# Altium PCB XXXX.687253.007.PcbDoc (part 2 of 2)
Units mm, origin at the board's own origin, x right, y up, seen from the top; angles counter-clockwise.
Board outline 88.8 x 99.3 mm, 2 copper layers (Top Layer, Bottom Layer), stack 1.571 mm thick; 138 components, 105 nets, 600 pads, 147 vias.
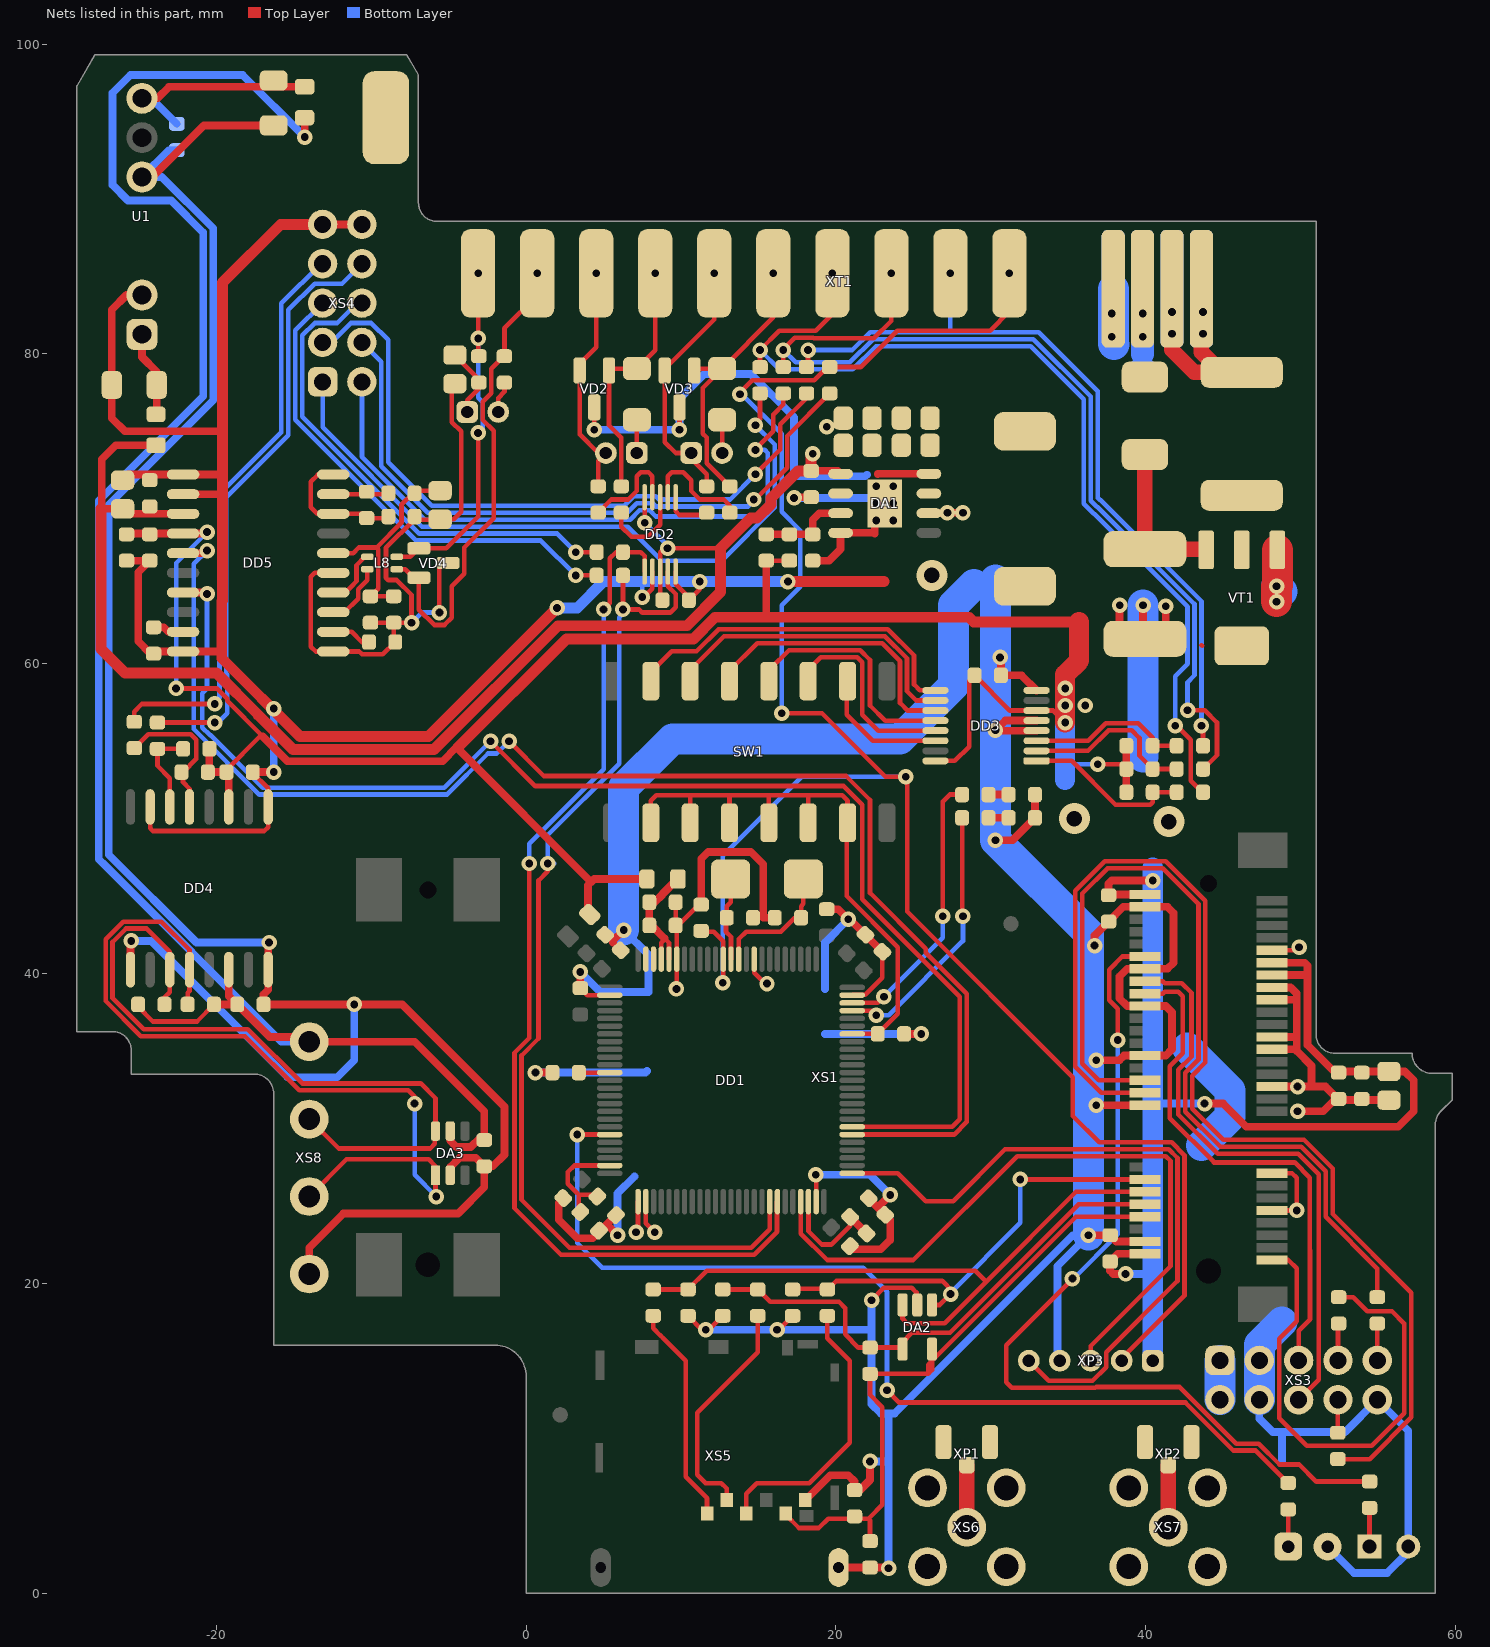
[diagram p2: the nets of this part, all layers, seen from the top]

## Via types
v1: diameter 1, hole 0.5, Top Layer to Bottom Layer, tented both sides, 104 vias
v2: diameter 1, hole 0.5, Top Layer to Bottom Layer, 34 vias
v3: diameter 0.8, hole 0.5, Top Layer to Bottom Layer, tented both sides, 6 vias
v4: diameter 2, hole 1, Top Layer to Bottom Layer, 3 vias

## Nets (pads, with @x,y where several pads share a name; then routed paths per layer and width w, separated by ;. In a path a pad name is that pad's centre, name@x,y a point inside that pad or via, vN(x,y) a via of type N, cw(c..) or ccw(c..) an arc to the next point about the centre after c; other vN are vias at no path point) (continued)
"+3,3 В_GSM": C1.1 C2.1 C3.1 C4.1 C5.1 C14.1 C15.1 C16.1 C35.2 C36.2 C39.2 C40.1 DD3.6 DD3.16 DD4.3 DD5.4 L2.2 L3.2 L4.2 R17.2 R32.2 R33.2 R34.2 R37.1 R38.1 XP3.1 XS1.2 XS1.39 XS1.41 XS1.52 | length 225.7
  Top Layer w0.3: v1(-22.6,58.4) -19.969,58.4 -19.3,57.731 -19.3,57.6 -17,55.3 -17.2,55.3 -19.4,53.1 C40.1@-19.4,53 ; C14.1@15.5,66.65 R17.2@17,66.65 ; DD3.16@26.425,53.725 27.675,53.725 28.6,54.65 28.6,58.9 C35.2@28.95,59.25 31.225,56.975 DD3.6@32.95,56.975 34.025,56.975 v1(34.8,56.2) ; v1(36.9,53.5) 38.45,53.5 R33.2@38.75,53.2
  Top Layer w0.5: C36.2@-25.8,68.35 -25.745,68.405 DD5.4@-22.15,68.405 -20.645,68.405 -20.6,68.45 v1(-20.6,68.5) ; R37.1@-20.55,53 R37.1@-20.45,53 ; R38.1@-20.45,54.5 R37.1@-20.45,53 ; R37.1@-20.389,53.044 R37.1@-20.45,53 ; C40.1@-19.362,52.962 C40.1@-19.362,53 ; C40.1@-19.35,53 -19.4,53 R37.1@-20.45,53 ; DD4.3@-19.2,50.7 C40.1@-19.2,52.9 ; -17,55.3 -15.405,53.705 -5.395,53.705 -4.5,54.6 ; -4.4,54.6 -4.4,54.5 4.2,45.9 4.4,46.1 L3.2@7.8,46.1 ; 4,45.7 4,44.007 L4.2@4.2,43.807 ; 15.5,63 C14.1@15.5,66.65 ; v1(38.7,20.6) 37.9,20.6 37.7,20.8 C1.1@37.7,21.4 38.2,21.9 XS1.2@39.95,21.9 ; R34.2@38.75,51.7 R33.2@38.75,53.2 R32.2@38.75,54.7 ; XS1.52@39.95,45.1 37.65,45.1 C2.1@37.6,45.05 37.6,45.8 37.8,46 v1(40.45,46) ; v1(43.8,31.6) 45,31.6 46.5,30.1 56.3,30.1 57.3,31.1 57.3,33.1 56.725,33.675 C5.1@55.7,33.675 52.525,33.675 C3.1@52.45,33.6 52.225,33.6 50.45,35.375 50.45,40.008 ; XS1.39@48.15,39.9 50.342,39.9 50.45,40.008 ; XS1.41@48.15,40.7 50.25,40.7 50.45,40.5 50.45,40.008
  Top Layer w0.7: -4.4,54.6 2.6,61.6 10.8,61.6 12.2,63 15.5,63 28.6,63 28.9,62.7 35.7,62.7
  Top Layer w1.3: v1(34.8,56.2) 34.8,59.3 35.7,60.2 35.7,62.7
  Bottom Layer w0.3: v1(-22.6,58.4) -22.6,66.5 v1(-20.6,68.5) ; 34.8,53.4 34.9,53.5 v1(36.9,53.5)
  Bottom Layer w0.5: v1(38.7,20.6) 40.45,20.6 ; 40.45,31.9 40.75,31.6 v1(43.8,31.6) ; 40.45,32.9 40.55,32.8
  Bottom Layer w1.3: 34.8,52.5 34.8,53.4 v1(34.8,56.2) ; XP3.1@40.45,15 40.45,20.6 40.45,31.9 40.45,32.9 v1(40.45,46) 40.45,46.85
  other v2: 34.8,57.3 36.1,57.3 34.8,58.4
  other v4: 35.4,50
"+5 В": C6.1 C7.1 C8.1 C34.2 C37.1 C38.1 DA1.1 DA1.2 DA1.6 DD2.3 DD2.10 DD5.3 L1.2 L5.1 XS3.1 XS3.2 | length 125.8
  Top Layer w0.3: v1(7.65,69.1) 7.65,68.85 DD2.10@7.65,70.75 ; C34.2@9.05,64.35 8.65,64.35 DD2.3@8.65,65.95 8.65,67.2 8.9,67.45 v1(9.131,67.45) 12.55,67.45
  Top Layer w0.5: -27.45,70 -27.4,70 ; L5.1@-23.9,74.1 -26.5,74.1 -27.4,73.2 -27.4,70 ; DD5.3@-22.15,69.675 -25.725,69.675 C37.1@-26.05,70 -27.4,70 ; C6.1@18.4,72.45 20.105,72.45 DA1.1@20.3,72.255 ; DA1.6@26,69.715 27.165,69.715 v1(27.2,69.75) v1(28.2,69.75) ; v1(38.325,63.775) 38.3,63.75 38.3,62.1 38.795,61.605 L1.2@39.95,61.605 ; v1(39.825,63.775) 39.825,61.73 L1.2@39.95,61.605 ; v2(41.3,63.7) 41.3,62.5 41.4,62.4 40.605,61.605 L1.2@39.95,61.605
  Top Layer w0.7: -27.45,70 -27.45,60.95 -25.9,59.4 -23.015,59.4 -20,59.4 -17.3,56.7 -17.3,56.686 -16.714,56.1 -16.7,56.1 -15.055,54.455 -5.947,54.455 2.048,62.45 10.375,62.45 12.55,64.625 12.55,67.45 14.5,69.4 14.914,69.4 15.8,70.286 15.8,70.681 17.55,72.431 17.55,72.45 C6.1@18.4,72.45 v1@18.4,73.5
  Bottom Layer w0.3: v1(7.65,69.1) 9.131,67.619 v1(9.131,67.45)
  Bottom Layer w2: 39.825,53.975 v1(39.825,63.775) ; 42.7,35.2 45.45,32.45 45.45,30.75 43.6,28.9 ; XS3.2@44.793,12.48 XS3.1@44.793,15.02
  other v1: 18.5,73.55 19.4,75.3
  other v4: 41.5,49.8
"+5 В_I2C": C42.1 C50.1 DA3.5 DD4.14 L9.2 R40.1 R41.1 XS8.4 | length 124.5
  Top Layer w0.3: R40.1@-25.05,38 -25.05,37.85 -24.1,36.9 -21.25,36.9 R41.1@-20.15,38
  Top Layer w0.5: R41.1@-20.15,38 C42.1@-18.65,38 ; DD4.14@-19.195,40.25 -19.195,38.545 C42.1@-18.65,38 ; v1(-14.3,94) L9.2@-14.3,95.25 ; DA3.5@-4.9,29.825 -4.9,29.2 -4.5,28.8 -3.572,28.8 -3,29.372 -3,29.25 C50.1@-2.7,29.25 -2.7,31.1 -7.199,35.599 XS8.4@-14,35.599 -14.301,35.9 -16.55,35.9 C42.1@-18.65,38
  Bottom Layer w0.5: v1(-14.3,94) -18.3,98 -25.55,98 -26.7,96.85 -26.7,90.9 -25.7,89.9 -22.919,89.9 -20.849,87.83 -20.849,77.27 -27.6,70.519 -27.6,47.381 -27.3,47.081 -27.3,47.1 -15.799,35.599 XS8.4@-14,35.599
"+5 В_Вн": RT1.1 XT1.12 XT1.14 | length 15
  Top Layer w1: XT1.12@41.695,84.2 v1(41.695,82.7) v1(41.695,81.3) 41.695,80.255 43.14,78.81 RT1.1@44.89,78.81 ; XT1.12@43.595,84.2 43.595,80.105 RT1.1@44.89,78.81 ; RT1.1@46.2,78.81 RT1.1@44.89,78.81
  other v1: 43.7,81.3 43.7,82.7
A: R25.1 VD2.2 XP5.2 XT1.3 | length 14.9
  Top Layer w0.3: XT1.3@4.525,85.2 4.525,80.425 3.45,79.35 VD2.2@3.45,78.925 3.45,74.8 4.65,73.6 XP5.2@5.15,73.6 4.65,73.1 4.65,71.95
B: R26.1 R36.2 VD2.1 XT1.4 | length 15.8
  Top Layer w0.3: 6.15,71.95 6.15,74.6 5.35,75.4 VD2.1@5.35,78.925 5.475,79.05 R36.2@7.15,79.05 8.335,80.235 XT1.4@8.335,85.2
BOOT0: DD1.94 R20.1 SW1.10 SW1.11 SW1.12 SW1.13 SW1.14 SW1.15 | length 40.2
  Top Layer w0.3: SW1.15@8.05,49.728 8.05,51.15 8.4,51.5 10.6,51.5 ; SW1.14@10.59,49.728 10.59,51.49 10.6,51.5 ; SW1.13@13.13,49.728 13.13,51.43 13.2,51.5 ; SW1.12@15.67,49.728 15.67,51.47 15.7,51.5 ; SW1.11@18.21,49.728 18.21,51.49 18.2,51.5 ; DD1.94@21.05,36.1 R20.1@22.7,36.1 24,37.4 24,41.7 20.7,45 20.7,49.678 SW1.10@20.75,49.728 20.75,51.15 20.4,51.5 18.2,51.5 ; 10.6,51.5 13.2,51.5 ; 13.2,51.5 15.7,51.5 ; 15.7,51.5 18.2,51.5
CAN1_H: L8.4 R43.2 VD4.1 XT1.1 | length 23.5
  Top Layer w0.3: L8.4@-8.35,66.9 -7.475,66.9 VD4.1@-6.925,67.45 -5.15,67.45 -3.1,69.5 v1(-3.1,74.9) ; R43.2@-3.095,79.8 v1(-3.095,81) XT1.1@-3.095,85.2
  Bottom Layer w0.3: v1(-3.1,74.9) -2.8,75.2 -2.8,76.869 -3.095,77.164 v1(-3.095,81)
CAN1_L: L8.3 R44.2 VD4.2 XT1.2 | length 31.5
  Top Layer w0.3: L8.3@-8.35,66.1 -7.8,66.1 -7.25,65.55 VD4.2@-6.925,65.55 -6.925,63.494 -5.931,62.5 -5.269,62.5 -4.8,62.969 -4.8,65 -4,65.8 -4,67.5 -2.1,69.4 -2.1,75.031 -2.8,75.731 -2.8,76.9 -2.25,77.45 -2.25,79.05 -1.6,79.7 R44.2@-1.6,79.85 ; R44.2@-1.4,79.85 -1.4,81.65 0.715,83.765 XT1.2@0.715,85.2
CAN1_RX_MCU: DD1.81 DD5.5 | length 93.1
  Top Layer w0.3: v1(-1.1,55) 1.15,52.75 20.65,52.75 22.2,51.2 22.2,45.2 25.8,41.6 25.8,41.336 28.45,38.686 28.45,30.414 27.636,29.6 DD1.81@21.05,29.6
  Top Layer w0.5: DD5.5@-22.15,67.135 -20.665,67.135 -20.6,67.2 v1(-20.6,67.3)
  Bottom Layer w0.3: v1(-20.6,67.3) -21.45,66.45 -21.45,55.782 -17.218,51.55 -5.114,51.55 -2.464,54.2 -1.9,54.2 v1(-1.1,55)
CAN1_TX_MCU: DD1.82 DD5.7 | length 87.6
  Top Layer w0.3: v1(-2.3,55) 0.6,52.1 20.5,52.1 21.7,50.9 21.7,44.8 28,38.5 28,30.6 27.5,30.1 DD1.82@21.05,30.1
  Top Layer w0.5: DD5.7@-22.15,64.595 -20.645,64.595 -20.6,64.55 v1(-20.6,64.5)
  Bottom Layer w0.3: v1(-20.6,64.5) -20.6,58.4 -20.9,58.1 -20.9,55.9 -20.9,55.869 -20.431,55.4 -20.4,55.4 -17,52 -5.3,52 v1(-2.3,55)
CAN2_RX_MCU: DD1.51 | length 2
  Top Layer w0.3: v2(7.1,23.3) 7.225,23.425 DD1.51@7.225,25.275
CAN2_TX_MCU: DD1.52 | length 2.2
  Top Layer w0.3: DD1.52@7.725,25.275 7.725,23.875 v2(8.3,23.3)
GND: C1.2 C2.2 C3.2 C4.2 C5.2 C6.2 C7.2 C8.2 C9.2 C10.2 C11.2 C12.2 C13.2 C15.2 C16.2 C17.2 C18.2 C19.1 C20.2 C21.2 C22.2 C23.2 C24.2 C25.1 C26.1 C27.1 C28.2 C29.2 C30.1 C31.2 C32.2 C33.2 C34.1 C35.1 C36.1 C37.2 C38.2 C39.1 C40.2 C41.2 DA1.4 DA1.8 DA1.9 DA2.2 DD1.10 DD1.20 DD1.27 DD1.74 DD1.99 DD2.2 DD2.5 DD3.4 DD3.5 DD3.8 DD4.1 DD4.7 DD5.1 DD5.2 DD5.10 HL1.1 HL2.1 HL3.1 HL4.1 R18.1 R19.1 R20.2 R39.2 U1.2 VD1.2 VD2.3 VD3.3 VT1.1 XP3.4 XS1.4 XS1.9 XS1.15 XS1.18 XS1.21 XS1.26 XS1.27 XS1.29 XS1.34 XS1.35 XS1.37 XS1.40 XS1.43 XS1.50 XS3.3 XS3.4 XS3.10 XS4.9 XS4.10 XS5.4 XS5.8 XT1.11 XT1.13 | length 568.2
  Top Layer w0.3: DD4.7@-24.275,50.75 -24.275,49.375 -24.1,49.2 -16.9,49.2 -16.655,49.445 DD4.1@-16.655,50.75 -16.655,51.955 C40.2@-17.7,53 ; C29.2@3.5,39.05 3.95,38.6 DD1.27@5.4,38.6 ; v1(4.4,75.1) VD2.3@4.4,76.55 ; v1(7.5,64.3) 7.6,64.3 8.15,64.85 DD2.2@8.15,65.95 ; C20.2@9.65,44.6 C17.2@9.65,43.1 C17.2@9.725,43.025 ; DD2.5@9.65,65.95 9.65,65.136 10.5,64.286 C34.1@10.5,64.1 11.2,64.8 v1(11.2,65.3) ; v1(9.7,39) 9.725,39.025 DD1.20@9.725,40.925 C17.2@9.725,43.025 ; v1(9.9,75.1) VD3.3@9.9,76.55 ; C12.2@10.45,17.9 11.35,17 v1(11.6,17) 11.8,17 C13.2@12.7,17.9 ; C26.1@11.3,44.45 11.15,44.45 C17.2@9.725,43.025 ; DD1.10@14.75,40.9 DD1.10@14.725,40.925 14.725,40.056 15.432,39.35 v1(15.55,39.35) ; v1(16.2,17) 16.3,17 C11.2@17.2,17.9 ; v1(18.7,27) 18.725,26.975 DD1.74@18.725,25.275 ; DD1.99@21.05,38.6 21.075,38.625 21.897,38.625 23.001,39.729 C22.2@23.001,41.401 ; v1(22.3,18.9) 23.1,19.7 24.9,19.7 25.2,19.4 25.2,18.65 DA2.2@25.25,18.6 ; XS1.9@48.15,24.7 49.5,24.7 49.742,24.458 v1(49.742,24.7) ; XS1.15@48.15,27.1 49.442,27.1 49.742,26.8 v1@49.742,25 ; XS1.43@48.15,41.5 49.7,41.5 v1(49.9,41.7) ; v1@49.7,32.7 v1(49.8,32.7)
  Top Layer w0.5: C37.2@-26.05,71.85 -25.685,72.215 DD5.1@-22.15,72.215 -19.915,72.215 ; C36.1@-25.8,66.65 C39.1@-24.3,66.65 -25.05,65.9 -25.05,61.45 -24.25,60.65 R39.2@-24.05,60.65 -23.915,60.785 DD5.10@-22.15,60.785 -19.65,60.785 -19.615,60.785 -19.65,60.75 ; U1.2@-24.8,83.8 -25.8,83.8 -26.75,82.85 C41.2@-26.75,78 -26.75,75.85 -25.9,75 -19.65,75 ; C38.2@-24.3,71.85 C38.2@-24.1,71.85 ; DD5.2@-22.15,70.945 -19.65,70.945 ; C40.2@-17.7,53 C40.2@-17.65,53 v1(-16.3,53) ; XS4.9@-13.14,88.36 XS4.10@-10.6,88.36 ; v1(0.6,33.6) R19.1@1.7,33.6 ; C31.2@2.399,25.499 2.1,25.2 2.1,24.1 3.3,22.9 4.3,22.9 5.2,23.8 ; C29.2@3.5,39.05 v1(3.5,40.1) ; 5.601,42.001 5.601,42.101 v1(6.3,42.8) ; C25.1@5.8,24.4 5.2,23.8 ; v1(5.9,23.1) 5.2,23.8 ; C26.1@11.3,44.45 11.3,47.4 11.75,47.85 14.5,47.85 15.3,47.05 15.3,43.6 C19.1@16.05,43.6 ; v1(17.3,70.7) 17.4,70.7 17.45,70.75 C6.2@18.4,70.75 ; XS5.4@18.03,6 19.63,7.6 20.8,7.6 21.2,7.2 C9.2@21.2,6.65 21.55,6.65 22.2,7.3 v1(22.2,8.5) ; R18.1@18.5,66.65 19.55,66.65 20.3,67.4 DA1.4@20.3,68.445 22.455,68.445 22.5,68.4 22.5,69.7 DA1.9@23.15,70.35 ; C32.2@19.4,44.15 20.15,44.15 v1(20.8,43.5) 20.902,43.5 C22.2@23.001,41.401 ; XS5.8@20.17,1.65 C10.2@22.2,1.65 23.15,1.65 23.2,1.6 v1(23.4,1.6) ; C24.2@21.001,22.299 21.1,22.2 22.9,22.2 23.5,22.8 23.5,24.102 C23.2@23.179,24.423 22.651,24.951 ; C27.1@22.118,25.484 22.651,24.951 ; 22.7,72.25 22.705,72.255 DA1.8@26,72.255 ; v1(23.5,25.7) 22.751,24.951 22.651,24.951 ; R20.2@24.4,36.1 v1(25.5,36.1) ; v1(30.3,48.6) 31.4,48.6 HL3.1@32.85,50.05 HL4.1@32.85,51.55 ; v1(30.6,60.4) 30.65,60.35 C35.1@30.65,59.25 31.975,59.25 DD3.8@32.95,58.275 ; DD3.4@32.95,55.675 30.325,55.675 v1(30.3,55.7) 30.925,56.325 DD3.5@32.95,56.325 ; v1(36.3,23.1) C1.2@37.7,23.1 38.1,22.7 XS1.4@39.95,22.7 ; v1(36.7,41.8) 36.7,42.45 C2.2@37.6,43.35 38.55,44.3 XS1.50@39.95,44.3 41.4,44.3 41.8,43.9 41.8,40.7 41.4,40.3 XS1.40@39.95,40.3 38.8,40.3 38.3,39.8 38.3,38.4 38.8,37.9 XS1.34@39.95,37.9 41.3,37.9 41.7,37.5 41.7,35.1 41.3,34.7 XS1.26@39.95,34.7 38.6,34.7 38.3,34.4 v1(36.8,34.4) ; v1(36.8,31.5) XS1.18@39.95,31.5 ; XS1.21@48.15,32.7 v1@49.7,32.7 ; XS1.27@48.15,35.1 49.642,35.1 49.742,35 ; XS1.29@48.15,35.9 49.642,35.9 49.742,36 ; XS1.35@48.15,38.3 49.642,38.3 49.742,38.4 ; XS1.37@48.15,39.1 49.35,39.1 49.742,38.708 49.742,38.4 ; v1(49.8,31.1) 51.45,31.1 52.175,31.825 52.175,32.125 51.6,32.7 v1(49.8,32.7) ; 50.7,32.75 50.7,34.042 49.742,35 ; C3.2@52.45,31.9 52.375,31.825 52.45,31.825 C5.2@55.7,31.825 ; 49.742,35 49.742,36 ; 49.742,36 49.742,38.4
  Top Layer w0.7: -19.65,60.75 -19.65,60.35 -14.605,55.305 -6.299,55.305 v1(1.996,63.6) ; -19.65,60.785 -19.65,64.036 -19.6,64.085 -19.6,84.6 -15.84,88.36 XS4.9@-13.14,88.36 ; v1(16.9,65.3) 23.1,65.3
  Top Layer w2: v1(48.45,64) v1(48.45,65) 48.5,65.05 VT1.1@48.5,67.35
  Bottom Layer w0.3: v1(7.5,64.3) 7.5,65.3
  Bottom Layer w0.5: v1(-16.3,53) v1(-16.3,57.1) ; v1(0.6,33.6) 7.7,33.6 7.8,33.7 ; v1(3.5,40.1) 4.8,38.8 7.9,38.8 7.9,41.2 v1(6.3,42.8) ; v1(4.4,75.1) v1(9.9,75.1) 9.9,77.1 11.5,78.7 14.5,78.7 17.3,75.9 17.3,72.3 17.5,72.1 21.9,72.1 22,72.2 ; v1(5.9,23.1) 5.9,25.8 7,26.9 ; v1(11.6,17) v1(16.2,17) 22.3,17 ; v1(17.3,70.7) 22.15,70.7 22.2,70.75 v3(22.6,70.35) ; v1(18.7,27) 22.2,27 v1(23.5,25.7) ; 19.3,36.1 v1(25.5,36.1) ; 19.3,39 19.3,42 v1(20.8,43.5) ; v1(22.2,8.5) 23.3,8.5 23.4,8.4 ; v1(22.3,18.9) 22.3,17 ; v1(23.4,1.6) 23.4,8.4 ; XP3.4@34.45,15 34.3,15.15 34.3,21.1 v1(36.3,23.1) 35.3,23.1 23.8,11.6 23.5,11.6 ; XS3.4@47.333,12.48 47.333,11.267 48.2,10.4 48.8,10.4 ; 48.8,8.5 48.8,10.4 ; HL1.1@51.74,3 53.44,1.3 55.6,1.3 56.95,2.65 HL2.1@56.95,3 56.95,10.483 XS3.10@54.953,12.48 52.873,10.4 48.8,10.4 ; 22.3,17 22.3,12.2 22.9,11.6 23.5,11.6 ; 23.4,8.4 23.4,11.5 23.5,11.6
  Bottom Layer w0.7: v1(1.996,63.6) 3.3,63.6 5,65.3 7.5,65.3 v1(11.2,65.3) v1(16.9,65.3)
  Bottom Layer w1.5: 39.8,80 v1(39.8,81.1) v1(39.8,82.6)
  Bottom Layer w2: v1(6.3,42.8) 6.3,52 9.45,55.15 24.15,55.15 27.6,58.6 27.6,63.8 28.9,65.1 ; 30.3,65.4 v1(30.3,55.7) v1(30.3,48.6) 36.3,42.6 v1(36.3,23.1) ; XT1.13@37.905,84.2 37.905,80.645 XT1.13@37.95,80.6 ; 39.795,78.805 39.95,78.65 ; XS3.4@47.333,12.48 XS3.3@47.333,15.02 47.333,16.033 48.8,17.5 ; v1(48.45,65) v1@48.8,64.65
  other v1: 37.8,81.1 37.8,82.6
  other v3: 22.6,69.25 23.7,69.25 23.7,70.35 22.6,71.45 23.7,71.45
  other v4: 26.2,65.7
GND_CAN2: C44.2 C45.1 C46.2 C49.1 DD5.11 DD5.15 L6.2 R42.1 VD4.3 | length 42.2
  Top Layer w0.3: DD5.15@-12.45,65.865 -13.635,65.865 -13.9,65.6 -13.9,61.1 -13.585,60.785 DD5.11@-12.45,60.785 -10.777,60.785 -10.592,60.6 -9.25,60.6 R42.1@-8.45,61.4 -8.45,61.5 -8.55,61.6 C44.2@-8.55,62.65 ; C46.2@-10.05,62.65 C44.2@-8.55,62.65 ; v1(-5.6,63.3) -5.6,66.4 -5.55,66.35 -5.4,66.5 VD4.3@-5.05,66.5 ; C49.1@-4.8,78 -4.8,75.6 -4.2,75 -4.2,69.8 -4.675,69.325 C45.1@-5.55,69.325 -5.584,69.291 -6.891,69.291 -7.1,69.5 L6.2@-7.2,69.5 -7.2,69.321 -9.05,67.471 -9.05,65.55 -8.9,65.4 -8.358,65.4 -7.4,64.442 v1(-7.4,62.65) C44.2@-8.55,62.65
  Bottom Layer w0.3: v1(-7.4,62.65) -6.75,63.3 v1(-5.6,63.3)
GND_I2C: C42.2 C47.2 C48.2 C50.2 DA3.2 DD4.9 DD4.16 U1.5 XS8.2 | length 145.1
  Top Layer w0.5: DD4.9@-25.545,40.25 -25.545,42.055 v1(-25.5,42.1) ; U1.5@-24.8,91.42 -24.13,91.42 -20.8,94.75 C48.2@-16.3,94.75 ; v1(-16.6,42) -16.7,42 -16.655,41.955 DD4.16@-16.655,40.25 -16.655,38.945 -16.95,38.65 C42.2@-16.95,38 -8,38 -1.4,31.4 -1.4,28.3 -2.15,27.55 C50.2@-2.7,27.55 ; XS8.2@-14,20.599 -14,22.3 -11.8,24.5 -4.4,24.5 -2.7,26.2 C50.2@-2.7,27.55 ; DA3.2@-4.9,26.975 -4.9,27.5 -4.3,28.1 -3.25,28.1 C50.2@-2.7,27.55
  Bottom Layer w0.5: v1(-25.5,42.1) -24.2,42.1 -15.4,33.3 -12.2,33.3 -11.1,34.4 v1(-11.1,38) ; C47.2@-22.55,93.15 -23.07,93.15 U1.5@-24.8,91.42 -23.52,91.42 -20.199,88.099 -20.199,77.001 -26.95,70.25 -26.95,47.669 -21.281,42 v1(-16.6,42)
I2C_SCL0: DD4.6 R5.2 R38.2 | length 5.7
  Top Layer w0.3: DD4.6@-23.005,50.75 -23.005,52.605 -23.8,53.4 R5.2@-23.8,54.5 R38.2@-22.15,54.5
I2C_SDA0: DD4.5 R10.2 R37.2 | length 9.4
  Top Layer w0.3: R10.2@-25.3,54.55 -24.4,55.45 -21.65,55.45 -21.3,55.1 -21.3,53.85 -22.15,53 -22.15,52.35 -21.735,51.935 DD4.5@-21.735,50.75
Led1: DD1.97 R21.1 | length 17.2
  Top Layer w0.3: DD1.97@21.05,37.6 22.3,37.6 v1(22.6,37.3) ; R21.1@28.15,50.05 28.15,43.75 v1(28.2,43.7)
  Bottom Layer w0.3: v1(22.6,37.3) 23.4,37.3 28.2,42.1 v1(28.2,43.7)
Led2: DD1.98 R22.1 | length 17.8
  Top Layer w0.3: DD1.98@21.05,38.1 22.7,38.1 v1(23.1,38.5) ; v1(26.9,43.7) 26.9,51.1 27.35,51.55 R22.1@28.15,51.55
  Bottom Layer w0.3: v1(23.1,38.5) 26.9,42.3 v1(26.9,43.7)
Led3: DD1.45 R23.1 | length 65.1
  Top Layer w0.3: v1(3.3,29.6) DD1.45@5.4,29.6 ; v1(23.3,13.1) 24.1,12.3 42.569,12.3 45.669,9.2 47.1,9.2 R23.1@49.2,7.1
  Bottom Layer w0.3: v1(3.3,29.6) 3.3,22.6 4.9,21 21.75,21 23.3,19.45 v1(23.3,13.1)
Led4: R24.1 XS1.42 | length 59
  Top Layer w0.3: v1(35.269,20.3) 35.269,20.431 35.35,20.35 35.285,20.285 31,16 31,13.6 31.35,13.25 36.751,13.25 36.801,13.3 42.205,13.3 45.855,9.65 47.286,9.65 48.636,8.3 49.9,8.3 51,7.2 R24.1@54.45,7.2 ; v1(38.2,35.7) 38.2,37.722 37.65,38.272 37.65,40.25 38.5,41.1 XS1.42@39.95,41.1
  Bottom Layer w0.3: v1(35.269,20.3) 35.338,20.3 38.2,23.162 v1(38.2,35.7)
NetC14_2: C14.2 DA1.3 R17.1 R18.2 | length 5.9
  Top Layer w0.5: C14.2@15.5,68.35 R17.1@17,68.35 R18.2@18.5,68.35 18.5,69.3 18.915,69.715 DA1.3@20.3,69.715
NetC17_1: C17.1 C20.1 DD1.21 DD1.22 L3.1 | length 8.1
  Top Layer w0.3: DD1.22@8.725,40.925 8.725,41.975 8.85,42.1 8.85,42.2 ; 8.925,42.275 9.225,41.975 DD1.21@9.225,40.925
  Top Layer w0.5: 8.925,42.275 8.1,43.1 C17.1@7.95,43.1 C20.1@7.95,44.6 8.3,44.6 8.8,45.1 8.8,45.134 9.766,46.1 L3.1@9.8,46.1
NetC19_2: C19.2 DD1.12 ZQ1.2 | length 8.5
  Top Layer w0.3: DD1.12@13.725,40.925 13.725,42.225 14.2,42.7 16.45,42.7 17.35,43.6 C19.2@17.75,43.6 17.75,44.35 17.9,44.5 ZQ1.2@17.9,46.1
NetC23_1: C23.1 C27.2 DD1.73 | length 7.5
  Top Layer w0.3: DD1.73@18.225,25.275 18.225,23.375 19.1,22.5 19.7,22.5 20.916,23.716 C27.2@20.916,24.282
  Top Layer w0.5: C27.2@20.916,24.282 C23.1@21.977,23.221
NetC25_2: C25.2 C28.1 DD1.49 | length 6.6
  Top Layer w0.3: 3.295,25.805 2.682,26.418 2.682,27.182 3.1,27.6 DD1.49@5.4,27.6 ; C28.1@3.388,24.744 3.388,25.712 4.356,25.712 C25.2@4.449,25.805
NetC30_2: C30.2 DD1.13 ZQ1.1 | length 5.4
  Top Layer w0.3: ZQ1.1@13.2,46.1 13.2,44.6 12.95,44.35 C30.2@12.95,43.6 12.9,43.55 12.9,42.7 13.225,42.375 DD1.13@13.225,40.925
NetC41_1: C41.1 L5.2 U1.1 | length 5.6
  Top Layer w0.5: U1.1@-24.8,81.26 -24.8,79.8 -23.85,78.85 C41.1@-23.85,78 -23.85,76.15 L5.2@-23.9,76.1
NetC43_1: C43.1 DD5.18 DD5.20 L6.1 | length 8.6
  Top Layer w0.3: DD5.20@-12.45,72.215 -13.435,72.215 -13.9,71.75 -13.9,70.1 -13.475,69.675 DD5.18@-12.45,69.675 -10.575,69.675 C43.1@-10.3,69.4 -9,69.4 L6.1@-8.9,69.5
NetC43_2: C43.2 DD5.19 L7.1 | length 3.6
  Top Layer w0.3: DD5.19@-12.45,70.945 -8.955,70.945 L7.1@-8.9,71
NetC44_1: C44.1 C45.2 C46.1 DD5.16 L7.2 | length 14.1
  Top Layer w0.3: DD5.16@-12.45,67.135 -11.165,67.135 -10.8,67.5 -9.658,67.5 ; C44.1@-8.55,64.35 C46.1@-10.05,64.35 -9.55,64.85 -9.55,67.392 -9.658,67.5 ; C45.2@-5.55,71.175 -7.025,71.175 L7.2@-7.2,71 -7.3,71 -8.05,70.25 -8.05,69.108 -9.658,67.5
NetC47_1: C47.1 C48.1 L9.1 U1.7 | length 13.7
  Top Layer w0.5: U1.7@-24.8,96.5 -23.8,96.5 -23.05,97.25 L9.1@-14.3,97.25
  Bottom Layer w0.5: U1.7@-24.8,96.5 -24.2,96.5 C47.1@-22.55,94.85
NetC49_2: C49.2 R43.1 XP6.1 | length 4.8
  Top Layer w0.3: C49.2@-4.8,79.925 C49.2@-4.6,79.925 -3.05,78.375 R43.1@-3.05,78.15 -3.05,77.75 -3.8,77 XP6.1@-3.8,76.25
NetDA1_7: DA1.7 L2.1
NetDA3_1: DA3.1 DD4.12 R41.2 XS8.1 | length 55.4
  Top Layer w0.3: R41.2@-21.85,38 -21.85,38.75 -21.735,38.865 DD4.12@-21.735,40.25 -21.735,41.535 -23.55,43.35 -26.018,43.35 -27.15,42.218 -27.15,38.221 -24.879,35.95 -18.15,35.95 -14.65,32.45 -7.6,32.45 -7.2,32.05 v1(-7.2,31.6) ; XS8.1@-14,25.9 XS8.1@-14,25.599 -11.599,28 -6.3,28 -5.85,27.55 DA3.1@-5.85,26.975 -5.85,25.65 v1(-5.8,25.6)
  Bottom Layer w0.3: v1(-7.2,31.6) -7.2,27 v1(-5.8,25.6)
NetDA3_6: DA3.6 DD4.11 R40.2 XS8.3 | length 47.4
  Top Layer w0.3: R40.2@-23.35,38 -23.35,38.45 -23,38.8 -23,40.245 DD4.11@-23.005,40.25 -23.005,41.405 -24.5,42.9 -25.831,42.9 -26.7,42.031 -26.7,38.408 -24.692,36.4 -17.964,36.4 -14.464,32.9 -7.8,32.9 -6.8,32.9 -5.85,31.95 DA3.6@-5.85,29.825 -5.9,29.775 -5.9,29 -6.2,28.7 -12.101,28.7 XS8.3@-14,30.599
NetDD1_37: DD1.37 R19.2 | length 2
  Top Layer w0.3: R19.2@3.4,33.6 DD1.37@5.4,33.6
NetDD2_6: DD2.6 R31.2 | length 3.1
  Top Layer w0.3: DD2.6@9.65,70.75 9.65,69.85 9.9,69.6 11.5,69.6 R31.2@11.65,69.75
NetDD2_7: DD2.7 R30.2 | length 7.2
  Top Layer w0.3: DD2.7@9.15,70.75 9.15,72.1 9.4,72.35 10.15,72.35 10.65,71.85 10.65,71.15 11.2,70.6 11.25,70.6 12.75,70.6 13.15,70.2 R30.2@13.15,69.75